# Altium PCB SVEC.pcbdoc (part 16 of 18) (continued)
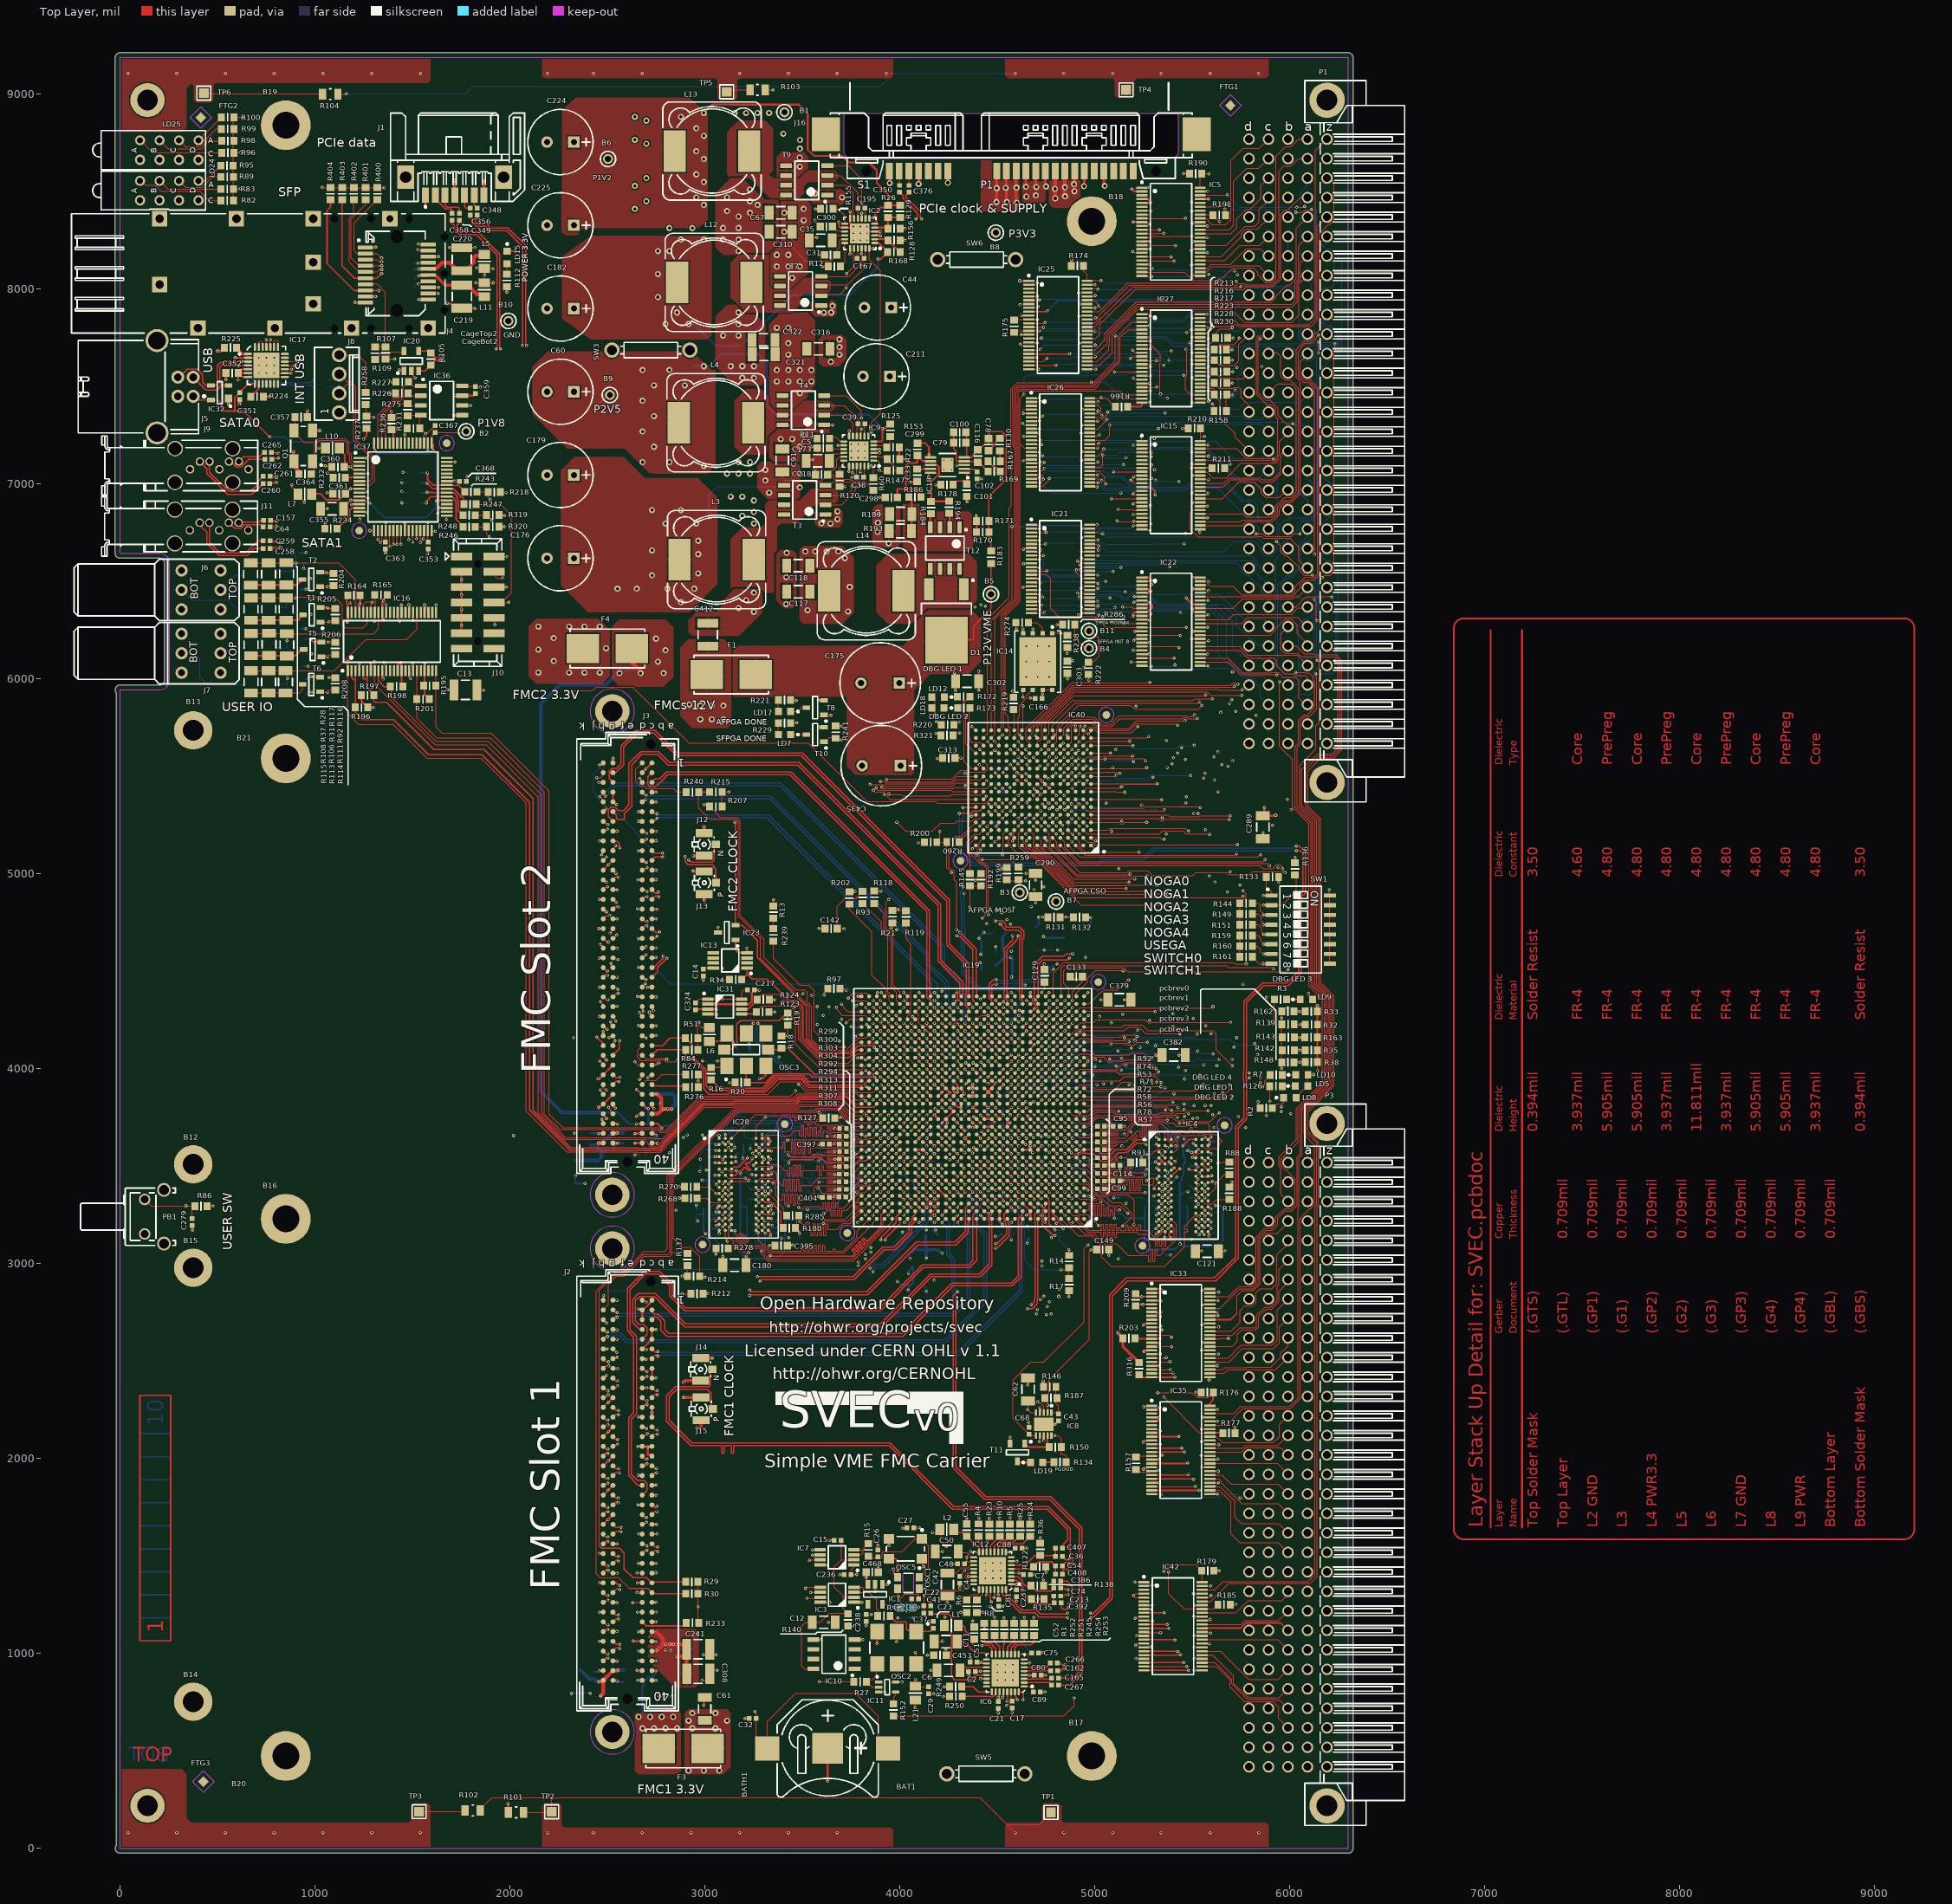
[diagram p0: Top Layer view]
## Nets (pads, with @x,y where several pads share a name; then routed paths per layer and width w, separated by ;. In a path a pad name is that pad's centre, name@x,y a point inside that pad or via, vN(x,y) a via of type N, cw(c..) or ccw(c..) an arc to the next point about the centre after c; other vN are vias at no path point) (continued)
VME_TCK: IC15.23 IC40.T14 | length 1769.6
  Top Layer w5: IC40.T14@4468.02,5735.78 4468.02,6301.97 4574.55,6408.51 v1(4574.55,6782.51)
  Top Layer w6: v1(5198.55,6786.81) IC15.23@5240.95,6786.81
  Bottom Layer w6: v1(4574.55,6782.51) 4705.1,6782.51 4708.98,6786.38 4938.13,6786.38 4950.88,6773.63 5185.37,6773.63 v1(5198.55,6786.81)
VME_TDI: IC27.22 IC40.R12 | length 2471.9
  Top Layer w5: IC40.R12@4546.76,5696.41 4564.1,5713.75 4564.1,5750.51 4556.55,5758.06 4556.55,5803.51 4540.55,5819.51 4540.55,6322.32 4615.93,6397.7 4615.93,7193.38 4606.18,7203.13 4606.18,7420.28 4605.68,7420.78 4605.68,7469.96 4611.85,7476.13 5125.93,7476.13 5145.56,7456.5 IC27.22@5240.95,7456.5
VME_TDO: IC27.5 IC40.T12 | length 2639
  Top Layer w5: IC40.T12@4542.18,5740.36 IC40.T12@4546.55,5735.99 ; IC40.T12@4546.76,5735.78 IC40.T12@4546.55,5735.99 ; IC27.5@5240.95,7791.14 5169.19,7791.14 5129.55,7751.51 5129.55,7627.25 5016.93,7514.62 5016.93,7506.85 4996.21,7486.13 4609.12,7486.13 4596.68,7473.69 4596.68,7417.05 4597.18,7416.55 4597.18,7199.4 4606.93,7189.65 4606.93,6401.42 4531.55,6326.05 4531.55,5750.99 IC40.T12@4546.55,5735.99
VME_TDO_OE: IC27.41 IC40.R14 | length 3014.5
  Top Layer w5: IC40.R14@4468.02,5696.41 4487.55,5715.95 4487.55,6307.51 4588.93,6408.88 4588.93,7182.2 4579.18,7191.94 4579.18,7409.09 4578.68,7409.59 4578.68,7481.14 4603.67,7506.13 4987.92,7506.13 4996.93,7515.14 4996.93,7522.91 5103.55,7629.53 v1(5103.55,7759.51) ; v1(5487.55,7724.51) 5495.14,7732.09 IC27.41@5540.16,7732.09
  Bottom Layer w5: v1(5103.55,7759.51) 5105.55,7757.51 5273.67,7757.51 5274.04,7757.88 5364.7,7757.88 5398.07,7724.51 v1(5487.55,7724.51)
VME_TMS: IC27.23 IC40.R15 | length 2571
  Top Layer w5: IC40.R15@4428.65,5696.41 4448.55,5716.32 4448.55,6306.51 4559.55,6417.51 4559.55,6875.88 4570.18,6886.51 4570.18,7281.51 4569.68,7282.01 4569.68,7486.63 4602.55,7519.51 4981.55,7519.51 v1(4981.55,7521.51) ; v1(5124.55,7453.51) 5141.25,7436.81 IC27.23@5240.95,7436.81
  Bottom Layer w5: v1(4981.55,7521.51) 5056.55,7521.51 v1(5124.55,7453.51)
VME_TRST: IC27.3 IC40.T13 | length 2667
  Top Layer w5: IC40.T13@4507.39,5735.78 4519.55,5747.95 4519.55,6326.78 4597.93,6405.15 4597.93,7185.92 4588.18,7195.67 4588.18,7412.82 4587.68,7413.32 4587.68,7477.42 4606.4,7496.13 4992.06,7496.13 5006.93,7511 5006.93,7518.76 5119.55,7631.39 5119.55,7761.51 5188.56,7830.51 IC27.3@5240.95,7830.51 IC27.3@5243.31,7832.88
VME_WRITE_N: IC19.R1 IC26.6 IC40.B1 | length 5244.4
  Top Layer w5: IC26.6@4673.95,7341.46 4723.51,7341.46 v1(4730.55,7348.51) ; IC19.R1@4944.42,3780.82 4961.87,3780.82 4984.93,3803.88 5368.92,3803.88 5377.93,3794.87 5377.93,3794.13 5385.55,3786.51 v1(5393.55,3786.51) ; v1(5003.55,5168.51) 5003.11,5168.51 4999.52,5164.91 IC40.B1@4979.83,5184.6 4981.11,5185.88 5334.27,5185.88 5342.65,5177.51 v1(5355.18,5177.51)
  L5 w5: v1(5360.55,7363.51) 5368.18,7355.88 5368.18,6258.93 5350.69,6241.44 5350.69,5863.21 5380.93,5832.97 5380.93,5590.25 5380.18,5589.51 5380.18,5557.14 5385.93,5551.39 5385.93,5531.86 5381.93,5527.86 5381.93,5303.71 5360.93,5282.71 5360.93,5280.14 5355.18,5274.39 5355.18,5215.65 5350.18,5210.65 5350.18,5182.51 v1(5355.18,5177.51) 5351.93,5174.25 5351.93,4909.88 5340.55,4898.51 5340.55,4333.93 5355.18,4319.3 5355.18,4161.97 5366.93,4150.22 5366.93,4118.7 5384.93,4100.7 5384.93,3891 5374.18,3880.25 5374.18,3805.88 v1(5393.55,3786.51)
  Bottom Layer w5: v1(4730.55,7348.51) 4740.18,7358.13 5021.44,7358.13 5028.19,7364.88 5040.92,7364.88 5050.93,7354.87 ; 5050.93,7354.74 5056.79,7348.88 5074.39,7348.88 5089.01,7363.51 v1(5360.55,7363.51)
VMEPX_A1: IC22.27 P1.a30 | length 701.6
  Top Layer w5: IC22.27@5540.16,6106.5 5679.7,6106.5 5754.72,6031.48 5905.89,6031.48 5908.29,6033.88 5939.92,6033.88 5965.67,6008.13 6027.93,6008.13 6046.55,5989.51 6046.55,5898.51 P1.a30@6084.55,5860.51
VMEPX_A2: IC22.29 P1.a29 | length 660.9
  Top Layer w5: IC22.29@5540.16,6145.87 5743.53,6145.87 5783.86,6105.53 5918.53,6105.53 5930.55,6093.51 5930.55,6068.51 5971.92,6027.14 6015.18,6027.14 6024.19,6018.13 6079.2,6018.13 6090.55,6006.77 P1.a29@6090.55,5968.51
VMEPX_A3: IC22.30 P1.a28 | length 591
  Top Layer w5: IC22.30@5540.16,6165.55 5741.14,6165.55 5785.22,6121.48 6036.58,6121.48 P1.a28@6090.55,6067.51
VMEPX_A4: IC22.33 P1.a27 | length 668.4
  Top Layer w5: IC22.33@5540.16,6224.61 5899.02,6224.61 5927.58,6253.17 5927.58,6257.9 5975.22,6305.53 6005.89,6305.53 6036.55,6274.87 6036.55,6232.51 P1.a27@6093.55,6175.51
VMEPX_A5: IC22.36 P1.a26 | length 599.5
  Top Layer w5: IC22.36@5540.16,6283.66 5753.35,6283.66 5785.22,6315.53 6039.53,6315.53 6098.55,6256.51 6099.55,6257.51 P1.a26@6099.55,6259.51
VMEPX_A6: IC22.37 P1.a25 | length 577.3
  Top Layer w5: IC22.37@5540.16,6303.35 5683.4,6303.35 5711.53,6331.48 6007.67,6331.48 6039.7,6363.51 P1.a25@6092.55,6363.51
VMEPX_A7: IC22.40 P1.a24 | length 602.3
  Top Layer w5: IC22.40@5540.16,6362.4 5709.45,6362.4 5758.51,6411.46 6014.16,6411.46 6025.2,6422.51 6043.69,6422.51 6089.69,6468.51 P1.a24@6090.55,6468.51 ; P1.a24@6096.55,6457.51 P1.a24@6096.55,6465.51
VMEPX_A8: IC21.26 P1.c30 | length 1391.2
  Top Layer w5: v1(4930.55,6368.51) 4930.55,6363.51 4935.55,6358.51 4971.47,6358.51 IC21.26@4973.16,6356.81
  Bottom Layer w5: v1(4930.55,6368.51) 4935.44,6368.51 4955.39,6348.55 5009.39,6348.55 5010.12,6349.28 5029.49,6349.28 5030.22,6348.55 5189.72,6348.55 5203.98,6362.8 5293.14,6362.8 5301.3,6354.64 5437.42,6354.64 5437.85,6354.21 5471.98,6354.21 5492.37,6374.6 5505.11,6374.6 5525.5,6354.21 5589.85,6354.21 5630.55,6313.51 5630.55,6131.25 5756.27,6005.53 5805.89,6005.53 5827.58,5983.84 5827.58,5977.22 5848.93,5955.87 5848.93,5910.13 P1.c30@5890.55,5868.51 ; P1.c30@5890.55,5865.51 P1.c30@5897.55,5865.51
VMEPX_A9: IC21.27 P1.c29 | length 1225.1
  Top Layer w5: IC21.27@4973.16,6376.5 4976.15,6373.51 5015.55,6373.51 v1(5015.14,6373.92)
  Bottom Layer w5: v1(5015.14,6373.92) 5015.55,6373.51 5025.93,6383.88 5186.67,6383.88 5197.75,6372.8 5297.28,6372.8 5305.88,6364.21 5467.84,6364.21 5488.23,6384.6 5509.25,6384.6 5529.64,6364.21 5604.85,6364.21 5675.55,6293.51 5675.55,6117.51 5777.53,6015.53 5859.53,6015.53 P1.c29@5901.55,5973.51
VMEPX_A10: IC21.29 P1.c28 | length 1299.6
  Top Layer w5: v1(4920.55,6418.51) 4925.55,6423.51 4930.55,6423.51 4938.19,6415.87 IC21.29@4973.16,6415.87
  Bottom Layer w5: v1(4920.55,6418.51) 4925.55,6423.51 5009.32,6423.51 5009.7,6423.13 5064.44,6423.13 5071.19,6429.88 5119.81,6429.88 5141.55,6408.13 5167.44,6408.13 5196.19,6436.88 5208.92,6436.88 5233.59,6412.21 5284.59,6412.21 5322.59,6374.21 5463.7,6374.21 5484.09,6394.6 5513.4,6394.6 5533.79,6374.21 5624.85,6374.21 5706.55,6292.51 5706.55,6161.51 5748.55,6119.51 5840.55,6119.51 P1.c28@5890.55,6069.51
VMEPX_A11: IC21.30 P1.c27 | length 1223.3
  Top Layer w5: v1(4910.55,6438.51) 4970.21,6438.51 IC21.30@4973.16,6435.55
  Bottom Layer w5: v1(4910.55,6438.51) 4914.68,6434.38 4936.43,6434.38 4937.3,6433.51 5060.67,6433.51 5067.04,6439.88 5123.95,6439.88 5145.7,6418.13 5163.3,6418.13 5192.04,6446.88 5213.06,6446.88 5237.73,6422.21 5288.73,6422.21 5326.73,6384.21 5459.56,6384.21 5479.95,6404.6 5517.54,6404.6 5537.93,6384.21 5654.85,6384.21 5726.55,6312.51 5726.55,6272.51 5793.53,6205.53 5805.89,6205.53 5840.92,6170.51 P1.c27@5889.55,6170.51
VMEPX_A12: IC21.33 P1.c26 | length 1020.5
  Top Layer w5: IC21.33@4973.16,6494.61 5010.55,6494.61 5010.55,6493.51 v1(5015.55,6488.51)
  Bottom Layer w5: v1(5015.55,6488.51) 5028.55,6475.51 5222.26,6475.51 5265.55,6432.21 5576.85,6432.21 5637.85,6432.21 5763.55,6306.51 5865.55,6306.51 P1.c26@5900.55,6271.51
VMEPX_A13: IC21.36 P1.c25 | length 1166.7
  Top Layer w5: v1(4925.55,6558.51) 4930.4,6553.66 IC21.36@4973.16,6553.66
  Bottom Layer w5: v1(4925.55,6558.51) 4925.55,6553.51 4965.55,6593.51 5121.67,6593.51 5123.04,6594.88 5724.18,6594.88 5753.53,6565.53 5753.53,6553.17 5775.22,6531.48 5787.58,6531.48 5853.53,6465.53 5853.53,6448.8 5887.55,6414.77 P1.c25@5887.55,6373.51
VMEPX_A14: IC21.37 P1.c24 | length 1116.6
  Top Layer w5: v1(4925.55,6583.51) 4935.71,6573.35 IC21.37@4973.16,6573.35 ; P1.c24@5890.55,6468.51 P1.c24@5892.55,6466.51
  Bottom Layer w5: v1(4925.55,6583.51) 4948.06,6606.01 5805.41,6606.01 5808.58,6602.84 5808.58,6601.43 5826.58,6583.43 5826.58,6542.48 5890.55,6478.51 P1.c24@5890.55,6468.51
VMEPX_A15: IC21.40 P1.c23 | length 951.1
  Top Layer w5: IC21.40@4973.16,6632.4 4974.26,6633.51 v1(5015.55,6633.51)
  Bottom Layer w5: v1(5015.55,6633.51) 5220.55,6633.51 5222.58,6631.48 5801.64,6631.48 5817.58,6615.53 5817.58,6605.16 5835.58,6587.16 5835.58,6586.75 5853.82,6568.51 P1.c23@5890.55,6568.51
VMEPX_A16: IC26.26 P1.c22 | length 1119.6
  Top Layer w5: IC26.26@4973.16,7006.81 v1@5015.55,7006.81 ; v1(5015.55,7006.07) v1@5015.55,7006.81 ; v1@5015.55,7006.81 5019.61,7006.81 5020.55,7007.76 5019.81,7008.51 5015.55,7008.51 v1@5015.55,7006.81
  Bottom Layer w5: v1(5015.55,7006.07) 5015.55,7002.62 5049.3,6968.88 5138.92,6968.88 5143.55,6964.25 5469.21,6964.25 5483.84,6978.88 5627.82,6978.88 5775.22,6831.48 5787.58,6831.48 5840.93,6778.13 5840.93,6718.13 P1.c22@5890.55,6668.51
VMEPX_A17: IC26.27 P1.c21 | length 1088.1
  Top Layer w5: IC26.27@4973.16,7026.5 5027.56,7026.5 5036.3,7017.76 v1(5036.3,7016.39)
  Bottom Layer w5: v1(5036.3,7016.39) 5035.18,7015.27 5035.18,6997.14 5053.44,6978.88 5143.06,6978.88 5147.69,6974.25 5465.07,6974.25 5479.7,6988.88 5675.18,6988.88 5755.55,6908.51 5815.55,6908.51 5835.55,6888.51 5835.55,6823.51 P1.c21@5890.55,6768.51
VMEPX_A18: IC26.29 P1.c20 | length 1034.1
  Top Layer w5: IC26.29@4973.16,7065.87 5020.55,7065.87 5051.68,7034.75 5051.68,7010.02 5050.55,7008.9 5050.55,6998.51 v1(5055.55,6998.51)
  Bottom Layer w5: v1(5055.55,6998.51) 5137.58,6998.51 5151.83,6984.25 5460.93,6984.25 5475.55,6998.88 5680.18,6998.88 5760.55,6918.51 5840.55,6918.51 P1.c20@5890.55,6868.51
VMEPX_A19: IC26.30 P1.c19 | length 1074.2
  Top Layer w5: IC26.30@4973.16,7085.55 5030.55,7085.55 5040.55,7095.55 v1(5040.55,7148.51)
  Bottom Layer w5: v1(5040.55,7148.51) 5115.55,7148.51 5131.55,7164.51 5272.81,7164.51 5283.19,7174.88 5302.81,7174.88 5306.81,7178.88 5565.3,7178.88 5571.97,7172.21 5572.58,7172.21 5736.29,7008.51 5811.82,7008.51 5851.82,6968.51 P1.c19@5890.55,6968.51
VMEPX_A20: IC26.33 P1.c18 | length 1028.6
  Top Layer w5: IC26.33@4973.16,7144.61 5014.91,7144.61 5045.55,7175.25 v1(5045.55,7178.51)
  Bottom Layer w5: v1(5045.55,7178.51) v1@5047.05,7180.01 ; v1@5047.55,7179.51 5048.93,7178.13 5266.81,7178.13 5273.55,7184.88 5298.67,7184.88 5302.67,7188.88 5569.44,7188.88 5574.19,7184.13 5574.8,7184.13 5735.43,7023.51 5836.55,7023.51 5881.55,7068.51 P1.c18@5890.55,7068.51 P1.c18@5890.55,7071.51
VMEPX_A21: IC26.36 P1.c17 | length 974.3
  Top Layer w5: IC26.36@4973.16,7203.66 5010.55,7203.66 v1@5015.4,7208.51
  Bottom Layer w5: v1@5020.93,7208.13 v1(5020.55,7208.51) 5023.93,7211.88 5204.92,7211.88 5208.67,7208.13 5273.44,7208.13 5284.19,7218.88 5296.92,7218.88 5297.67,7218.13 5311.92,7218.13 5312.67,7218.88 5619.18,7218.88 5706.58,7131.48 5831.55,7131.48 5853.53,7131.48 P1.c17@5890.55,7168.51
VMEPX_A22: IC26.37 P1.c16 | length 997.9
  Top Layer w5: IC26.37@4973.16,7223.35 4973.69,7223.88 5026.92,7223.88 5051.09,7223.88 5074.55,7247.35 v1(5074.55,7300.51)
  Bottom Layer w5: v1(5074.55,7300.51) 5079.58,7305.53 5699.58,7305.53 5853.53,7305.53 P1.c16@5890.55,7268.51
VMEPX_A23: IC26.40 P1.c15 | length 972.4
  Top Layer w5: IC26.40@4973.16,7282.4 5014.45,7282.4 5060.55,7328.51 v1(5059.55,7329.51)
  Bottom Layer w5: v1(5059.55,7329.51) 5060.55,7328.51 5068.15,7328.51 5088.53,7348.88 5191.92,7348.88 5192.67,7348.13 5366.92,7348.13 5367.3,7348.51 5758.19,7348.51 5775.22,7331.48 5852.53,7331.48 P1.c15@5891.55,7370.51
VMEPX_A24: IC33.40 P3.b4 | length 950.4
  Top Layer w5: IC33.40@5593.55,2712.51 5695.55,2712.51 5729.55,2746.51 ; 5713.55,2728.51 5729.55,2744.51 5729.55,2746.51 ; P3.b4@5992.55,3213.51 5934.58,3155.53 5875.22,3155.53 5847.58,3127.9 5847.58,2894.88 5814.18,2861.48 5754.53,2861.48 5729.55,2836.51 5729.55,2746.51
  Top Layer w8: IC33.40@5590.16,2712.4 5697.45,2712.4 5713.55,2728.51
VMEPX_A25: IC33.37 P3.b5 | length 745.6
  Top Layer w5: IC33.37@5590.16,2653.35 5698.4,2653.35 5743.55,2698.51 5743.55,2758.51 5766.53,2781.48 5805.89,2781.48 5827.58,2803.17 5827.58,2851.53 5847.55,2871.51 5873.55,2871.51 ; 5882.55,2871.51 5873.55,2871.51 ; P3.b5@5990.55,3102.51 5933.55,3045.51 5933.55,2897.51 5907.55,2871.51 5873.55,2871.51
VMEPX_A26: IC33.36 P3.b6 | length 677.4
  Top Layer w5: IC33.36@5590.16,2633.66 5706.71,2633.66 5744.55,2671.51 5821.55,2671.51 5829.55,2679.51 5829.55,2734.51 5872.55,2777.51 5901.92,2777.51 5934.55,2810.14 5934.55,2884.36 5943.55,2893.36 5943.55,2970.51 P3.b6@5988.55,3015.51
VMEPX_A27: IC33.33 P3.b7 | length 635.1
  Top Layer w5: IC33.33@5590.16,2574.61 5704.66,2574.61 5731.55,2601.51 5731.55,2637.51 5754.55,2660.51 5824.7,2660.51 5839.55,2675.36 5839.55,2730.36 5876.7,2767.51 5906.06,2767.51 5944.55,2806 5944.55,2858.51 5990.55,2904.51 P3.b7@5990.55,2918.51
VMEPX_A28: IC33.30 P3.b8 | length 616.7
  Top Layer w5: IC33.30@5590.16,2515.55 5683.6,2515.55 5749.55,2581.51 5775.19,2581.51 ; 5775.22,2581.48 5908.53,2581.48 5934.55,2607.51 5934.55,2762.51 P3.b8@5990.55,2818.51
VMEPX_A29: IC33.29 P3.b9 | length 539.5
  Top Layer w5: IC33.29@5590.16,2495.87 5688.92,2495.87 5756.55,2563.51 5915.55,2563.51 5946.55,2594.51 5946.55,2674.51 P3.b9@5990.55,2718.51
VMEPX_A30: IC33.27 P3.b10 | length 503.8
  Top Layer w5: IC33.27@5590.16,2456.5 5655.55,2456.5 5666.55,2467.51 5778.55,2467.51 5779.55,2468.51 5902.55,2468.51 5953.53,2519.48 5953.53,2541.48 5990.55,2578.51 P3.b10@5990.55,2618.51
VMEPX_A31: IC33.26 P3.b11 | length 434.2
  Top Layer w5: IC33.26@5590.16,2436.81 5662.86,2436.81 5681.58,2455.53 5927.58,2455.53 P3.b11@5990.55,2518.51
VMEPX_ACFAIL: P1.b3
VMEPX_AM0: IC15.40 P1.b16 | length 620
  Top Layer w5: IC15.40@5540.16,7062.4 5573.66,7062.4 5577.84,7058.22 5577.84,7058.13 5581.65,7054.32 5581.74,7054.32 5604.58,7031.48 5655.55,7031.48 ; 5655.58,7031.51 5675.55,7031.51 5749.18,7105.13 5925.55,7105.13 5940.93,7120.51 5940.93,7138.23 5947.58,7144.88 5947.58,7216.53 P1.b16@5997.55,7266.51
VMEPX_AM1: IC15.37 P1.b17 | length 566.7
  Top Layer w5: IC15.37@5540.16,7003.35 5660.12,7003.35 5688.25,7031.48 5845.55,7031.48 5855.55,7021.48 5910.03,7021.48 5950.93,7062.37 5950.93,7134.09 5957.58,7140.74 5957.58,7154.88 5967.2,7164.51 P1.b17@5981.55,7164.51
VMEPX_AM2: IC15.36 P1.b18 | length 488.6
  Top Layer w5: IC15.36@5540.16,6983.66 5658.71,6983.66 5696.55,7021.51 5771.05,7021.51 ; 5771.07,7021.48 5838.44,7021.48 5848.44,7011.48 5914.18,7011.48 5968.2,7065.51 P1.b18@5986.55,7065.51
VMEPX_AM3: IC15.33 P1.b19 | length 548
  Top Layer w5: IC15.33@5540.16,6924.61 5653.66,6924.61 5741.55,7012.51 5765.9,7012.51 5766.93,7011.48 5816.23,7011.48 5853.53,6974.18 5853.53,6953.17 5875.22,6931.48 5945.53,6931.48 5982.55,6968.51 P1.b19@5990.55,6968.51
VMEPX_AM4: IC15.30 P1.a23 | length 861
  Top Layer w5: IC15.30@5540.16,6865.55 5502.6,6865.55 5489.55,6852.51 5489.55,6766.51 5527.93,6728.13 5831.92,6728.13 5833.3,6729.51 5853.19,6729.51 5861.22,6721.48 6000.58,6721.48 6046.55,6675.51 6046.55,6607.51 P1.a23@6085.55,6568.51
VMEPX_AM5: IC15.29 P1.c14 | length 1262.1
  Top Layer w5: IC15.29@5540.16,6845.87 5760.83,6845.87 5775.22,6831.48 5905.89,6831.48 5927.58,6853.17 5927.58,6886.18 5972.88,6931.48 6005.89,6931.48 6033.53,6959.11 6033.53,7485.53 6005.55,7513.51 5937.55,7513.51 P1.c14@5897.55,7473.51
VMEPX_AS_N: IC21.43 P1.a18 | length 1625
  Top Layer w5: IC21.43@4973.16,6691.46 5010.6,6691.46 v1(5020.55,6681.51)
  Bottom Layer w5: v1(5020.55,6681.51) 5030.3,6681.51 5058.3,6653.51 5658.99,6653.51 5711.01,6705.53 5818.53,6705.53 5853.53,6670.53 5853.53,6653.17 5875.22,6631.48 5905.89,6631.48 5933.53,6659.11 5933.53,6684.74 5945.93,6697.14 5945.93,6709.87 5945.55,6710.25 5945.55,6790.01 5971.07,6815.53 5989.95,6815.53 5999.95,6825.53 6099.95,6825.53 6127.58,6853.17 6127.58,6991.75 6090.55,7028.77 P1.a18@6090.55,7068.51
VMEPX_BBSY: P1.b1
VMEPX_BCLR: P1.b2
VMEPX_BERR_N: IC15.43 P1.c11 | length 1150.9
  Top Layer w5: IC15.43@5540.16,7121.46 5738.22,7121.46 ; 5738.24,7121.48 5900.84,7121.48 5908.19,7114.13 5921.51,7114.13 5930.93,7123.55 5930.93,7142.37 5937.58,7149.03 5937.58,7335.22 5927.58,7345.22 5927.58,7383.84 5905.89,7405.53 5882.78,7405.53 5828.12,7460.19 5828.12,7747.82 5839.19,7758.88 5851.92,7758.88 5857.3,7753.51 5864.55,7753.51 P1.c11@5881.55,7770.51
VMEPX_BG0IN: P1.b4 P1.b5 | length 100
  L5 w5: P1.b5@5990.55,8368.51 P1.b4@5990.55,8468.51
VMEPX_BG1IN: P1.b6 P1.b7 | length 100
  Bottom Layer w5: P1.b7@5990.55,8168.51 P1.b6@5990.55,8268.51
VMEPX_BG2IN: P1.b8 P1.b9 | length 100
  L5 w5: P1.b9@5990.55,7968.51 P1.b8@5990.55,8068.51
VMEPX_BG3IN: P1.b10 P1.b11 | length 100
  Bottom Layer w5: P1.b11@5990.55,7768.51 P1.b10@5990.55,7868.51
VMEPX_BR0: P1.b12
VMEPX_BR1: P1.b13
VMEPX_BR2: P1.b14
VMEPX_BR3: P1.b15
VMEPX_D0: IC25.40 P1.a1 | length 1945.5
  Top Layer w5: IC25.40@4960.16,7883.4 5021.53,7883.4 5168.26,8030.13 5644.92,8030.13 5653.93,8039.14 5653.93,8054.62 5708.19,8108.88 5811.18,8108.88 5834.55,8085.51 5834.55,8072.14 5875.22,8031.48 5905.89,8031.48 5929.08,8054.67 5929.08,8682.03 5977.03,8729.98 6006.51,8729.98 6045.04,8768.51 P1.a1@6090.55,8768.51
VMEPX_D1: IC25.37 P1.a2 | length 1817.2
  Top Layer w5: IC25.37@4960.16,7824.35 4997.14,7824.35 5018.93,7846.14 5018.93,7863.14 5175.92,8020.13 5725.92,8020.13 5733.67,8027.88 5764.67,8027.88 5771.07,8021.48 5910.03,8021.48 5943.53,8054.97 5943.53,8604.48 5969.03,8629.98 6006.51,8629.98 6045.04,8668.51 P1.a2@6090.55,8668.51
VMEPX_D2: IC25.36 P1.a3 | length 1729.4
  Top Layer w5: IC25.36@4960.16,7804.66 4995.71,7804.66 5028.93,7837.88 5028.93,7845.51 5193.55,8010.13 5747.18,8010.13 v1(5749.55,8012.51)
  Bottom Layer w5: v1(5749.55,8012.51) 5752.58,8015.53 6016.58,8015.53 6051.83,8050.78 6051.83,8102.23 6053.53,8103.93 6053.53,8492.48 6089.55,8528.51 P1.a3@6089.55,8566.51
VMEPX_D3: IC25.33 P1.a4 | length 1656.6
  Top Layer w5: IC25.33@4960.16,7745.61 5003.66,7745.61 5024.55,7766.51 5024.55,7816.51 5208.05,8000.01 5740.31,8000.01 5743.19,7997.13 5762.21,7997.13 5776.55,8011.48 5914.18,8011.48 5953.53,8050.83 5953.53,8383.84 5975.22,8405.53 5989.58,8405.53 6052.55,8468.51 P1.a4@6090.55,8468.51
VMEPX_D4: IC25.30 P1.a5 | length 1593.3
  Top Layer w5: IC25.30@4960.16,7686.55 4999.6,7686.55 5051.93,7738.88 5051.93,7772.05 5211.36,7931.48 5615.84,7931.48 5622.19,7925.13 5634.92,7925.13 5641.27,7931.48 5905.89,7931.48 5927.58,7953.17 5927.58,7961.53 5987.53,8021.48 6001.1,8021.48 6033.53,8053.9 6033.53,8311.48 P1.a5@6090.55,8368.51
VMEPX_D5: IC25.29 P1.a6 | length 1570.5
  Top Layer w5: IC25.29@4960.16,7666.87 4962.17,7668.88 5011.93,7668.88 5063.55,7720.51 5063.55,7769.53 5215.5,7921.48 5611.7,7921.48 5618.04,7915.13 5639.06,7915.13 5645.41,7921.48 6011.38,7921.48 6027.58,7937.68 6027.58,8033.82 6043.53,8049.76 6043.53,8221.48 P1.a6@6090.55,8268.51
VMEPX_D6: IC25.27 P1.a7 | length 1507.8
  Top Layer w5: IC25.27@4960.16,7627.5 5010.55,7627.5 5070.93,7687.88 5070.93,7713.16 5075.55,7717.79 5075.55,7767.39 5216.67,7908.51 5610.53,7908.51 5613.9,7905.13 5643.21,7905.13 5646.58,7908.51 6012.55,7908.51 6037.58,7933.53 6037.58,8029.68 6053.53,8045.62 6053.53,8131.48 P1.a7@6090.55,8168.51
VMEPX_D7: IC25.26 P1.a8 | length 1524.5
  Top Layer w5: IC25.26@4960.16,7607.81 5022.86,7607.81 5088.18,7673.13 5088.18,7765.87 5217.19,7894.88 5699.18,7894.88 5766.55,7827.51 6008.55,7827.51 6047.58,7866.53 6047.58,8025.53 P1.a8@6090.55,8068.51
VMEPX_D8: IC5.40 P1.c1 | length 725.3
  Top Layer w5: IC5.40@5540.16,8362.4 5575.66,8362.4 5579.55,8358.51 5579.55,8350.5 5598.92,8331.13 5671.81,8331.13 5698.55,8357.88 5698.55,8658.51 5760.55,8720.51 5842.55,8720.51 P1.c1@5890.55,8768.51
VMEPX_D9: IC5.37 P1.c2 | length 634.7
  Top Layer w5: IC5.37@5540.16,8303.35 5647.55,8303.35 5648.4,8302.51 5688.55,8302.51 5711.55,8325.51 5711.55,8551.51 5778.55,8618.51 5840.55,8618.51 P1.c2@5890.55,8668.51
VMEPX_D10: IC5.36 P1.c3 | length 535.4
  Top Layer w5: IC5.36@5540.16,8283.66 5698.71,8283.66 5726.03,8310.98 5726.03,8358.46 5774.6,8407.03 5796.08,8407.03 5851.55,8462.51 5851.55,8529.51 P1.c3@5890.55,8568.51
VMEPX_D11: IC5.33 P1.c4 | length 496.5
  Top Layer w5: IC5.33@5540.16,8224.61 5673.66,8224.61 5770.55,8321.51 5820.55,8321.51 5842.55,8343.51 5842.55,8407.51 5890.55,8455.51 P1.c4@5890.55,8468.51
VMEPX_D12: IC5.30 P1.c5 | length 447
  Top Layer w5: IC5.30@5540.16,8165.55 5649.6,8165.55 5752.03,8267.98 5752.03,8284.46 5774.6,8307.03 5834.08,8307.03 5890.55,8363.51 P1.c5@5890.55,8368.51
VMEPX_D13: IC5.29 P1.c6 | length 401.2
  Top Layer w5: IC5.29@5540.16,8145.87 5666.92,8145.87 5743.55,8222.51 5844.55,8222.51 P1.c6@5890.55,8268.51
VMEPX_D14: IC5.27 P1.c7 | length 406.8
  Top Layer w5: IC5.27@5540.16,8106.5 5576.55,8106.5 5595.58,8125.53 5695.22,8125.53 5775.22,8205.53 5849.53,8205.53 5886.55,8168.51 P1.c7@5890.55,8168.51
VMEPX_D15: IC5.26 P1.c8 | length 384.5
  Top Layer w5: IC5.26@5540.16,8086.81 5571,8086.81 5599.72,8115.53 5700.7,8115.53 5704.04,8118.88 5840.18,8118.88 P1.c8@5890.55,8068.51
VMEPX_D16: IC35.40 P3.b14 | length 506.9
  Top Layer w5: IC35.40@5590.16,2112.4 5622.66,2112.4 5653.58,2081.48 5916.53,2081.48 5946.55,2111.51 5946.55,2174.51 P3.b14@5990.55,2218.51
VMEPX_D17: IC35.37 P3.b15 | length 427.4
  Top Layer w5: IC35.37@5590.16,2053.35 5758.89,2053.35 5771.07,2065.53 5937.58,2065.53 P3.b15@5990.55,2118.51
VMEPX_D18: IC35.36 P3.b16 | length 425
  Top Layer w5: IC35.36@5590.16,2033.66 5590.38,2033.88 5676.92,2033.88 5677.14,2033.66 5753.35,2033.66 5775.22,2055.53 5953.53,2055.53 P3.b16@5990.55,2018.51
VMEPX_D19: IC35.33 P3.b17 | length 423.6
  Top Layer w5: IC35.33@5590.16,1974.61 5934.45,1974.61 P3.b17@5990.55,1918.51
VMEPX_D20: IC35.30 P3.b18 | length 440.6
  Top Layer w5: IC35.30@5590.16,1915.55 5651.51,1915.55 5698.55,1868.51 5940.55,1868.51 P3.b18@5990.55,1818.51
VMEPX_D21: IC35.29 P3.b19 | length 478.8
  Top Layer w5: IC35.29@5590.16,1895.87 5634.93,1895.87 5648.93,1881.87 5648.93,1873.39 5752.81,1769.51 5939.55,1769.51 P3.b19@5990.55,1718.51
VMEPX_D22: IC35.27 P3.b20 | length 545.8
  Top Layer w5: IC35.27@5590.16,1856.5 5641.56,1856.5 5717.55,1780.51 5717.55,1700.51 5750.55,1667.51 5941.55,1667.51 P3.b20@5990.55,1618.51
VMEPX_D23: IC35.26 P3.b21 | length 628.9
  Top Layer w5: IC35.26@5590.16,1836.81 5638.25,1836.81 5697.55,1777.51 5697.55,1612.51 5741.55,1568.51 5940.55,1568.51 P3.b21@5990.55,1518.51
VMEPX_D24: IC42.40 P3.b23 | length 495.4
  Top Layer w5: IC42.40@5550.16,1208.4 5723.45,1208.4 5786.55,1271.51 5959.55,1271.51 5990.55,1302.51 P3.b23@5990.55,1318.51
VMEPX_D25: IC42.37 P3.b24 | length 469
  Top Layer w5: IC42.37@5550.16,1149.35 5750.65,1149.35 5769.83,1168.53 5940.58,1168.53 P3.b24@5990.55,1218.51
VMEPX_D26: IC42.36 P3.b25 | length 467.7
  Top Layer w8: IC42.36@5550.16,1129.66 5747.22,1129.66 5774.6,1157.03 5952.03,1157.03 P3.b25@5990.55,1118.51
VMEPX_D27: IC42.33 P3.b26 | length 462
  Top Layer w5: IC42.33@5550.16,1070.61 5938.45,1070.61 P3.b26@5990.55,1018.51
VMEPX_D28: IC42.30 P3.b27 | length 521.2
  Top Layer w5: IC42.30@5550.16,1011.55 5644.51,1011.55 5788.55,867.51 5939.55,867.51 P3.b27@5990.55,918.51
VMEPX_D29: IC42.29 P3.b28 | length 574.2
  Top Layer w5: IC42.29@5550.16,991.87 5604.19,991.87 5711.55,884.51 5711.55,846.56 5785.58,772.53 5919.98,772.53 5922.01,770.51 5942.55,770.51 P3.b28@5990.55,818.51
VMEPX_D30: IC42.27 P3.b29 | length 560
  Top Layer w5: IC42.27@5550.16,952.5 5616.29,952.5 5701.55,867.23 5701.55,843.83 5781.85,763.53 5916.25,763.53 5919.28,760.51 5948.55,760.51 P3.b29@5990.55,718.51 P3.b29@5990.55,709.51
VMEPX_D31: IC42.26 P3.b30 | length 625.1
  Top Layer w5: IC42.26@5550.16,932.81 5623.25,932.81 5692.55,863.51 5692.55,828.51 5766.53,754.53 5912.53,754.53 5942.55,724.51 5942.55,666.51 P3.b30@5990.55,618.51
VMEPX_DS1_N: IC22.46 P1.a12 | length 1870.6
  Top Layer w5: IC22.46@5540.16,6480.51 5585.17,6480.51 5590.55,6475.13 5709.87,6475.13 5753.53,6431.48 6005.89,6431.48 6027.58,6453.17 6027.58,6472.04 6077.02,6521.48 6105.84,6521.48 6109.19,6518.13 6121.92,6518.13 6141.55,6537.76 6141.55,7484.01 6094.09,7531.48 6075.22,7531.48 6053.53,7553.17 6053.53,7627.48 P1.a12@6091.55,7665.51
VMEPX_DS2_N: IC22.43 P1.a13 | length 1729.1
  Top Layer w5: IC22.43@5540.16,6421.46 6010.01,6421.46 6053.53,6464.97 6053.53,6483.84 6075.22,6505.53 6123.47,6505.53 6151.55,6533.62 6151.55,7488.16 6090.55,7549.16 P1.a13@6090.55,7568.51
VMEPX_DTACK_N: IC26.46 P1.a16 | length 1215.1
  Top Layer w5: IC26.46@4973.16,7400.51 5018.55,7400.51 5030.93,7388.13 5030.93,7367.14 5030.55,7366.76 5030.55,7353.51 v1(5034.55,7349.51)
  Bottom Layer w5: v1(5034.55,7349.51) 5035.55,7348.51 5035.55,7331.76 5053.19,7314.13 5066.44,7314.13 5070.44,7318.13 5206.55,7318.13 6003.44,7318.13 6009.19,7323.88 6045.18,7323.88 6095.55,7273.51 P1.a16@6094.55,7272.51
VMEPX_GA0: IC27.37 P1.d10 R216.1 | length 399.4
  Top Layer w5: IC27.37@5540.16,7653.35 5576.9,7653.35 R216.1@5612.06,7688.51 5639.06,7715.51 5641.55,7715.51 ; 5654.04,7715.51 5641.55,7715.51 ; v1(5739.55,7748.51) 5741.55,7748.51 5740.55,7747.51 5740.55,7742.51 5713.74,7715.69 5641.74,7715.69 5641.55,7715.51
  L5 w5: v1(5739.55,7748.51) 5739.55,7817.51 P1.d10@5790.55,7868.51
VMEPX_GA1: IC27.36 P1.d11 R217.1 | length 378.6
  Top Layer w5: IC27.36@5540.16,7633.66 5612.22,7633.66 R217.1@5613.06,7634.51 5640.24,7607.32 5714.37,7607.32 5737.55,7630.51 5737.55,7715.51 P1.d11@5790.55,7768.51
VMEPX_GA2: IC27.33 P1.d13 R223.1 | length 282.6
  Top Layer w5: IC27.33@5540.16,7574.61 5612.16,7574.61 R223.1@5613.06,7575.51 5649.92,7538.64 5650.59,7538.64 5655.64,7543.69 5696.46,7543.69 5701.51,7538.64 5760.69,7538.64 P1.d13@5790.55,7568.51
VMEPX_GA3: IC27.30 P1.d15 R228.1 | length 362.4
  Top Layer w5: IC27.30@5540.16,7515.55 5611.11,7515.55 R228.1@5613.06,7517.51 5613.06,7516 5638.74,7490.32 5708.53,7490.32 5714.08,7495.88 5737.45,7495.88 5747.69,7485.64 5747.69,7446.64 5747.05,7446.01 5790.55,7402.51 P1.d15@5790.55,7368.51
VMEPX_GA4: IC27.29 P1.d17 R230.1 | length 465.8
  Top Layer w5: IC27.29@5540.16,7495.87 5583.52,7495.87 5588.75,7490.64 5604.69,7490.64 5613.06,7482.27 R230.1@5613.06,7457.51 5613.06,7454.27 5642.69,7424.64 5642.69,7333.64 5719.55,7256.77 5719.55,7239.51 P1.d17@5790.55,7168.51
VMEPX_GAP: IC27.40 P1.d9 R213.1 | length 413.1
  Top Layer w5: IC27.40@5540.16,7712.4 5582.96,7712.4 R213.1@5619.06,7748.51 ; R213.1@5619.06,7754.51 5619.06,7775.38 5639.55,7795.88 5697.93,7795.88 v1(5704.55,7802.51)
  Bottom Layer w5: v1(5704.55,7802.51) 5722.55,7820.51 5722.55,7900.51 P1.d9@5790.55,7968.51
VMEPX_IACK_N: IC25.43 P1.a20 | length 2072
  Top Layer w5: IC25.43@4960.16,7942.46 4996.6,7942.46 5010.55,7928.51 5010.55,7923.51 v1(5020.55,7913.51) ; v1(5845.55,7743.51) 5838.12,7736.08 5838.12,7466.45 5874.6,7429.98 5899.08,7429.98 5899.08,7428.61 5939.08,7388.61 5939.08,7349.98 5980.55,7308.51 v1(6015.55,7308.51)
  Bottom Layer w5: v1(5020.55,7913.51) 5092.94,7841.12 5451.43,7841.12 5495.19,7884.88 5602.92,7884.88 5676.93,7810.87 5676.93,7807.13 5695.93,7788.13 5711.92,7788.13 5716.55,7783.51 5736.81,7783.51 5766.81,7813.51 5805.55,7813.51 5827.58,7791.48 5827.58,7761.48 v1(5845.55,7743.51)
  Bottom Layer w8: v1(6015.55,7308.51) 6020.55,7308.51 6030.55,7298.51 6030.55,6973.51 6090.55,6913.51 P1.a20@6090.55,6868.51
VMEPX_IACKIN_N: IC33.46 P1.a21 | length 4731.3
  Top Layer w5: IC33.46@5590.16,2830.51 5686.56,2830.51 5737.55,2881.51 5775.19,2881.51 ; 5775.22,2881.48 5805.89,2881.48 5827.58,2903.17 5827.58,3136.18 5872.88,3181.48 5905.89,3181.48 5927.58,3203.17 5927.58,3236.68 5972.38,3281.48 6005.89,3281.48 6027.58,3303.17 6027.58,3433.84 5979.95,3481.48 5975.22,3481.48 5953.53,3503.17 5953.53,3533.84 6042.5,3622.82 6042.5,3791.73 6177.55,3926.78 6177.55,4358.5 6108.55,4427.5 6108.55,5260.39 6026.55,5342.39 6026.55,5652.14 6043.53,5669.11 6043.53,5787.99 6071.07,5815.53 6089.95,5815.53 6127.58,5853.17 6127.58,5983.84 6120.55,5990.87 6120.55,6008.76 6097.84,6031.48 6075.22,6031.48 6073.19,6033.51 v1(6030.55,6033.51)
  Bottom Layer w5: v1(6030.55,6033.51) 6021.55,6024.51 5979.55,6024.51 5937.58,6066.48 5937.58,6482.04 5987.02,6531.48 6005.89,6531.48 6043.53,6569.11 6043.53,6685.16 6071.9,6713.53 6073.58,6713.53 6090.55,6730.51 P1.a21@6090.55,6768.51